# Altium PCB fmuvxX-baseT1.PcbDoc (part 3 of 5)
Units mm, origin at the board's own origin, x right, y up, seen from the top; angles counter-clockwise.
Board outline 88 x 47 mm, 6 copper layers (Top Layer, Layer 2, Signal Layer 3, Signal Layer 4, Layer 5, Bottom Layer), stack 1.548 mm thick; 363 components, 295 nets, 1451 pads, 844 vias.
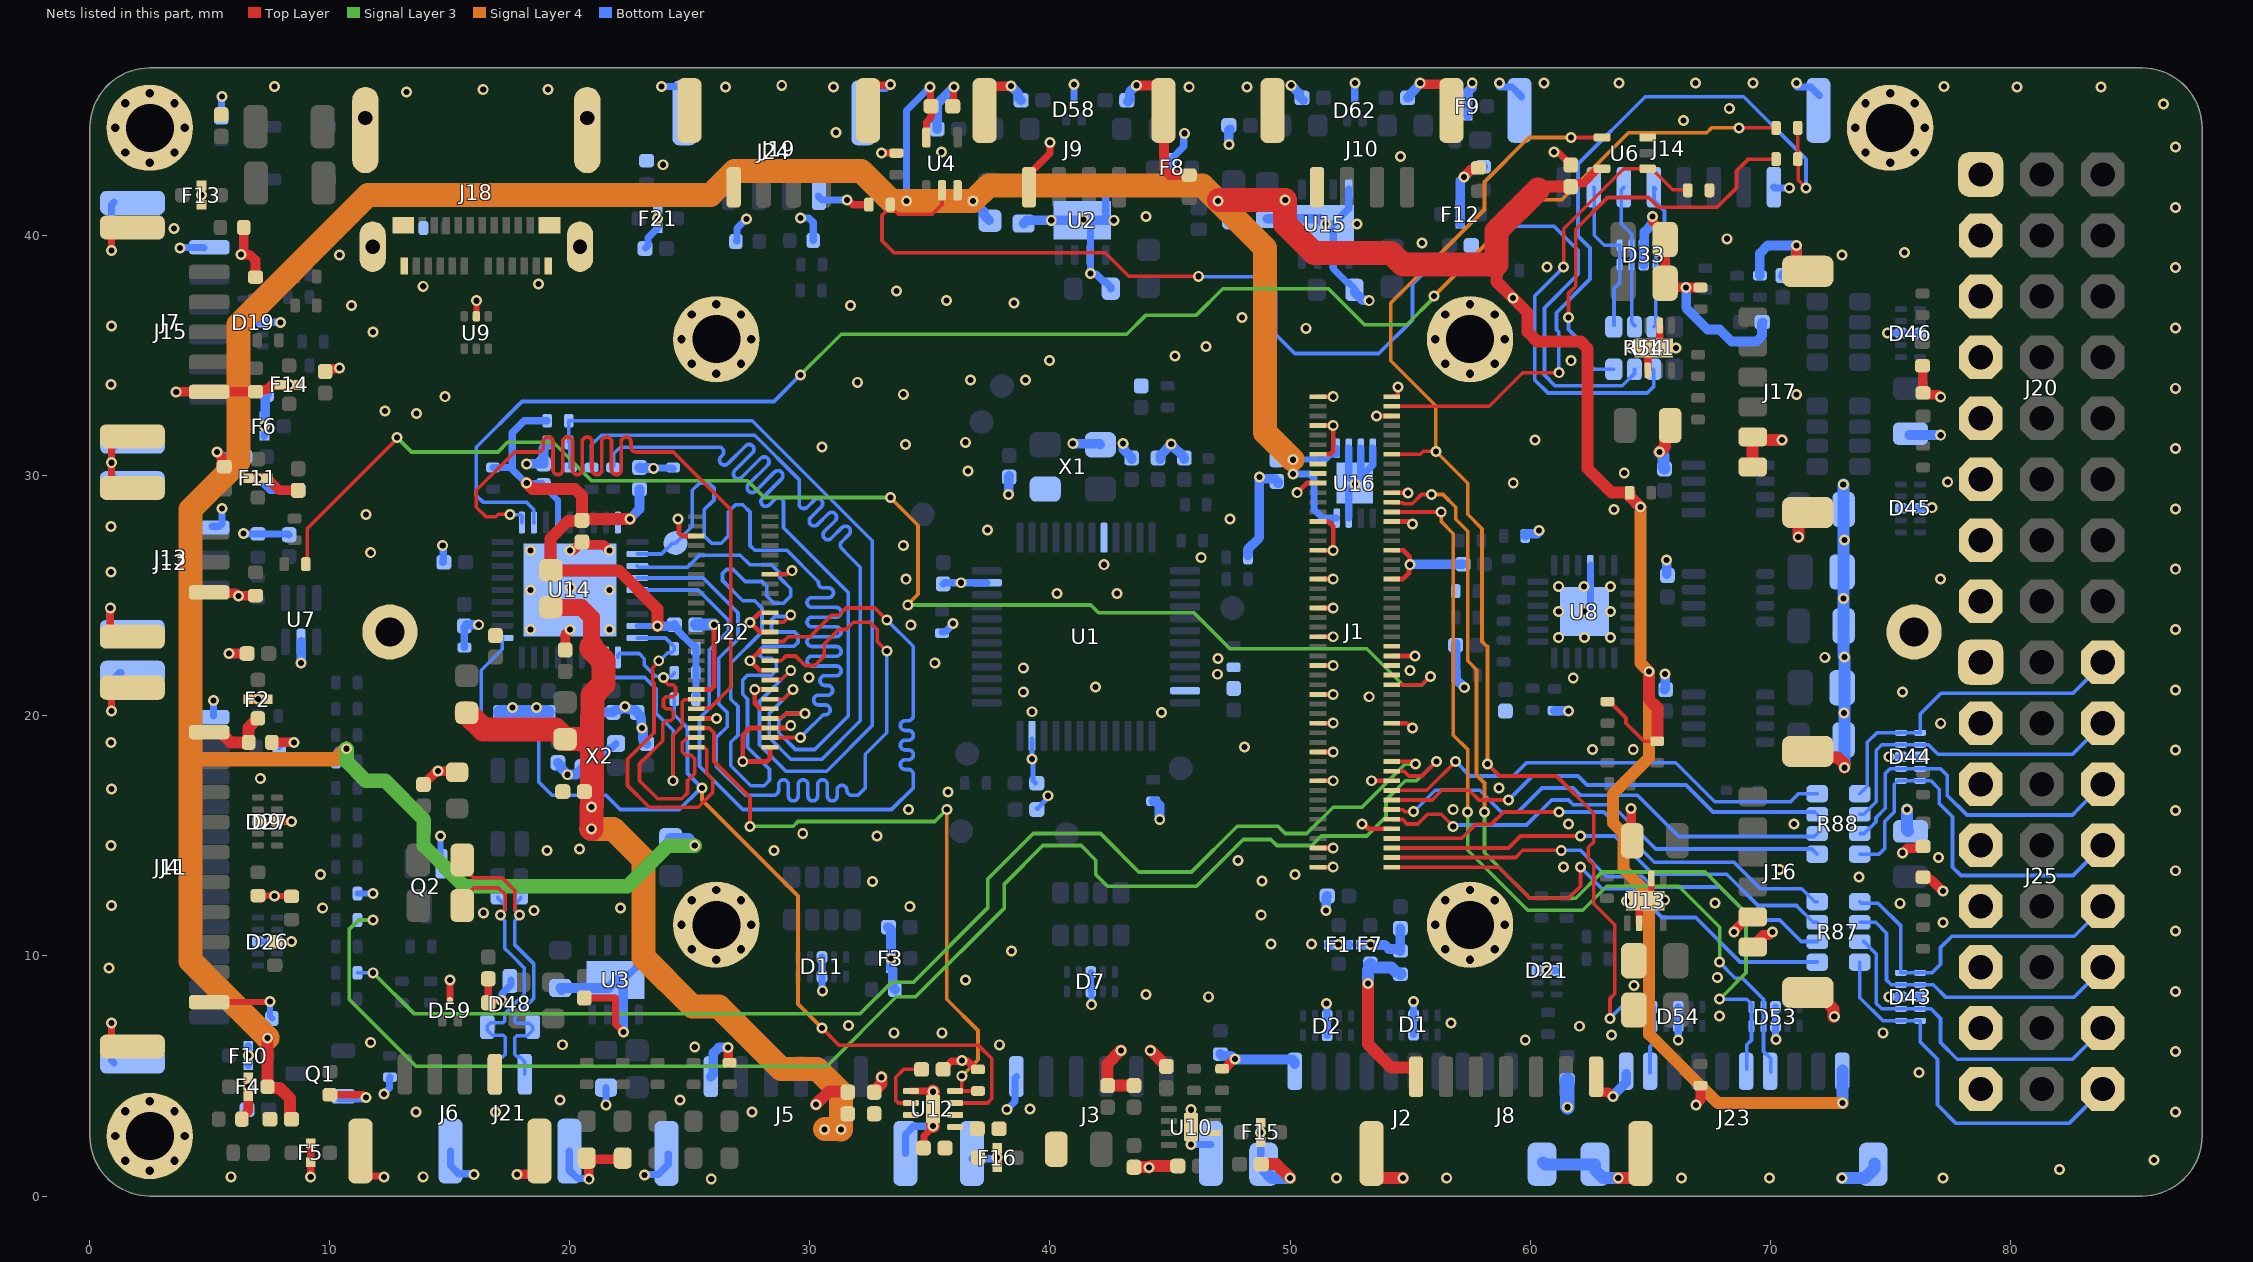
[diagram p7: the nets of this part, all layers, seen from the top]

## Via types
v1: diameter 0.457, hole 0.254, Top Layer to Bottom Layer, tented both sides, 788 vias
v2: diameter 0.65, hole 0.35, Top Layer to Bottom Layer, 56 vias

## Nets (pads, with @x,y where several pads share a name; then routed paths per layer and width w, separated by ;. In a path a pad name is that pad's centre, name@x,y a point inside that pad or via, vN(x,y) a via of type N, cw(c..) or ccw(c..) an arc to the next point about the centre after c; other vN are vias at no path point) (continued)
ETH_CRS_DV: J22.7 R103.2 | length 34.5
  Top Layer w0.152: J22.7@28.34,19.9 28.364,19.924 28.824,19.924 29,20.1 v1@29.638,20.1
  Bottom Layer w0.152: R103.2@21.828,30.4 21.828,30.928 22.1,31.2 25.5,31.2 25.865,31.2 26.201,31.2 cw(c26.201,30.997) 26.345,30.853 26.294,30.802 ccw(c26.437,30.658) 26.294,30.515 ccw(c26.437,30.658) 26.581,30.515 27.32,31.254 cw(c27.464,31.11) 27.608,31.254 cw(c27.464,31.11) 27.608,30.967 26.868,30.227 ccw(c27.012,30.084) 26.868,29.94 ccw(c27.012,30.084) 27.156,29.94 27.95,30.735 cw(c28.094,30.591) 28.238,30.735 cw(c28.094,30.591) 28.238,30.447 27.443,29.653 ccw(c27.587,29.509) 27.443,29.365 ccw(c27.587,29.509) 27.731,29.365 28.525,30.16 cw(c28.669,30.016) 28.813,30.16 cw(c28.669,30.016) 28.813,29.872 28.018,29.078 ccw(c28.162,28.934) 28.018,28.791 ccw(c28.162,28.934) 28.305,28.791 28.553,29.038 cw(c28.697,28.895) 28.9,28.895 28.9,28.265 28.9,27.843 31.6,25.143 31.6,20 30.2,18.6 29.4,18.6 28.7,19.3 28.7,19.8 29,20.1 v1@29.916,20.1
  other v1: 29.8,20.1
ETH_CSET: C56.1 U12.6 | length 2.9
  Top Layer w0.152: U12.6@34.225,3.875 33.675,3.875 33.575,3.975 33.575,4.95 33.9,5.275 C56.1@34.65,5.275
ETH_MDC: J22.4 R93.2 U14.1 | length 14.8
  Top Layer w0.152: v1(23.9,21.6) 23.9,21.5 24.1,21.3 24.3,21.3 24.4,21.2 24.4,20.9 24.3,20.8 24,20.8 23.9,20.7 23.9,20.389 23.989,20.3 24.2,20.3 24.3,20.2 24.3,19.9 24.2,19.8 24,19.8 23.87,19.67 23.87,18.97 22.9,18 22.9,17.3 23.655,16.545 24.656,16.545 24.9,16.789 24.9,17.3 25.2,17.6 25.2,18.211 25.052,18.359 24.832,18.359 24.684,18.506 24.684,18.894 24.866,19.076 25.236,19.076 J22.4@25.26,19.1
  Bottom Layer w0.152: U14.1@22,22.44 22,22.544 22.056,22.599 22.883,22.599 23.1,22.383 23.1,22.123 23.565,21.658 23.842,21.658 v1(23.9,21.6) 23.958,21.658 24.228,21.658 24.35,21.78 R93.2@24.35,21.8
ETH_MDIO: J22.2 R102.2 U14.36 | length 15
  Top Layer w0.152: v1(23.7,22.3) 23.7,22.258 23.445,22.004 23.445,21.412 23.5,21.357 23.5,19.3 22.4,18.2 22.4,17.1 23.3,16.2 23.472,16.2 23.475,16.198 24.825,16.198 24.828,16.2 25.343,16.2 25.955,16.812 25.955,17.345 25.698,17.602 25.698,18.587 25.608,18.676 25.284,18.676 J22.2@25.26,18.7
  Bottom Layer w0.152: U14.36@22.81,23.25 23.977,23.25 24.213,23.014 24.35,22.877 R102.2@24.35,22.8 24.35,22.751 24.228,22.629 24.071,22.629 23.742,22.3 v1(23.7,22.3)
ETH_nRESET: R92.2 U12.3 U14.10 | length 42.9
  Top Layer w0.152: v1(30.5,7) 31.225,6.275 37.025,6.275 37.575,5.725 37.575,4.05 37.4,3.875 U12.3@36.025,3.875
  Signal Layer 4 w0.152: v1(25.5,17) 25.5,16.5 29.5,12.5 29.5,8 v1(30.5,7)
  Bottom Layer w0.152: U14.10@17.19,23.25 17.179,23.239 17.179,22.779 16.3,21.9 16.3,20 16.7,19.6 18.05,19.6 18.7,18.95 18.7,17.25 19.25,16.7 21.5,16.7 22.1,16.1 24.558,16.1 v1@25.458,17 ; R92.2@24.35,20.7 24.35,20.05 24.9,19.5 24.9,17.6 v1(25.5,17)
ETH_PHY_nINT: J22.12 U14.2 | length 11.1
  Top Layer w0.152: v1(24.3,17.3) 24.3,19.2 24.684,19.584 24.684,20.587 24.773,20.676 25.236,20.676 J22.12@25.26,20.7
  Bottom Layer w0.152: U14.2@21.5,22.44 21.5,22.34 21.556,22.284 21.556,21.844 21.8,21.6 23.121,21.6 23.6,21.121 23.6,20.1 24.3,19.4 v1(24.3,17.3)
ETH_POWER_EN: J22.6 R82.2 U12.4 | length 27.5
  Top Layer w0.152: J22.6@25.26,19.5 25.8,19.5 26,19.3 26,18.1 27.5,16.6 v1(27.5,15.4) ; U12.4@36.045,4.375 U12.4@36.25,4.375 ; v1(36.325,5) 36.325,4.45 U12.4@36.25,4.375 ; R82.2@37.025,4.375 R82.2@37,4.375 U12.4@36.25,4.375
  Signal Layer 3 w0.152: v1(27.5,15.4) 29.3,15.4 29.5,15.6 35.2,15.6 v1(35.7,16.1)
  Signal Layer 4 w0.152: v1(35.7,16.1) 35.7,8.2 37,6.9 37,5.673 36.3,4.973 v1@36.3,4.9
ETH_PPS: R113.1 U14.20 | length 66.1
  Top Layer w0.152: v1(68.7,44.5) R113.1@70.25,44.5
  Signal Layer 3 w0.152: v1(29.6,34.2) 31.3,35.9 43.2,35.9 44,36.7 46.1,36.7 47.2,37.8 51.6,37.8 53.1,36.3 54.864,36.3 56,37.436 v1(56,37.5)
  Signal Layer 4 w0.152: v1(56,37.5) 60,41.5 61.3,41.5 64.1,44.3 67.359,44.3 67.559,44.5 v1(68.7,44.5)
  Bottom Layer w0.152: U14.20@18.5,28.06 18.487,28.073 18.487,28.613 18.202,28.898 16.402,28.898 16.1,29.2 16.1,31.2 18,33.1 28.5,33.1 v1(29.6,34.2)
ETH_REF_CLK: J22.3 TP17.1 U14.29 | length 36.4
  Top Layer w0.152: J22.3@28.34,19.1 v1(29.6,19.1)
  Bottom Layer w0.152: U14.29@22.81,26.75 23.82,26.75 24.27,27.2 TP17.1@24.4,27.2 25.1,27.9 25.1,29.4 25.4,29.7 25.8,29.7 26,29.5 26,29 25.6,28.6 25.6,27.5 25.9,27.2 26.3,27.2 26.6,27.5 26.6,28.5 26.9,28.8 27.2,28.8 27.5,28.5 27.5,27.1 27.7,26.9 29.043,26.9 30.329,25.614 30.355,25.588 30.355,25.538 ccw(c30.558,25.538) 30.558,25.335 30.777,25.335 cw(c30.777,25.132) 30.777,24.929 30.082,24.929 ccw(c30.082,24.725) 30.082,24.522 31.094,24.522 cw(c31.094,24.319) 31.094,24.116 30.082,24.116 ccw(c30.082,23.913) 30.082,23.709 31.094,23.709 cw(c31.094,23.506) 31.094,23.303 30.082,23.303 ccw(c30.082,23.1) 30.082,22.897 31.094,22.897 cw(c31.094,22.693) 31.094,22.49 30.082,22.49 ccw(c30.082,22.287) 30.082,22.084 31.094,22.084 cw(c31.094,21.881) 31.094,21.677 30.622,21.677 ccw(c30.622,21.474) 30.622,21.271 30.739,21.271 cw(c30.739,21.068) 30.739,20.865 30.355,20.865 ccw(c30.355,20.661) 30.355,20.458 30.636,20.458 cw(c30.636,20.255) 30.636,20.052 ccw(c30.636,19.849) 30.492,19.992 29.879,19.379 v1(29.6,19.1)
ETH_RX_ER: J22.10 U14.19 | length 36.6
  Top Layer w0.152: v1(17.5,28.4) 17.009,28.4 16.909,28.3 16.5,28.3 16.1,28.7 16.1,29.4 17.7,31 18.61,31 18.686,31 ccw(c18.686,31.203) 18.889,31.203 18.889,31.417 cw(c19.092,31.417) 19.296,31.417 19.296,30.259 ccw(c19.499,30.259) 19.702,30.259 19.702,31.417 cw(c19.905,31.417) 20.108,31.417 20.108,30.259 ccw(c20.312,30.259) 20.515,30.259 20.515,31.417 cw(c20.718,31.417) 20.921,31.417 20.921,30.259 ccw(c21.124,30.259) 21.328,30.259 21.328,31.417 cw(c21.531,31.417) 21.734,31.417 21.734,30.259 ccw(c21.937,30.259) 22.14,30.259 22.14,31.417 cw(c22.344,31.417) 22.547,31.417 22.547,31.203 ccw(c22.75,31.203) 22.75,31 23.386,31 24.3,31 26.7,28.6 26.7,21.2 25.814,20.314 25.274,20.314 J22.10@25.26,20.3
  Bottom Layer w0.152: v1(17.5,28.4) 17.514,28.386 17.944,28.386 18,28.331 U14.19@18,28.06
ETH_RXD0: J22.11 R48.2 | length 34.7
  Top Layer w0.152: J22.11@28.34,20.7 28.9,20.7 v1(29.3,21.1)
  Bottom Layer w0.152: R48.2@20.9,30.4 20.9,31.3 21.3,31.7 27.7,31.7 29.548,29.852 29.548,28.752 29.601,28.699 ccw(c29.745,28.842) 29.889,28.699 30.188,28.997 cw(c30.331,28.854) 30.475,28.997 cw(c30.331,28.854) 30.475,28.71 30.029,28.265 ccw(c30.173,28.121) 30.029,27.977 ccw(c30.173,28.121) 30.317,27.977 30.762,28.423 cw(c30.906,28.279) 31.05,28.423 cw(c30.906,28.279) 31.05,28.135 30.604,27.69 ccw(c30.748,27.546) 30.604,27.402 ccw(c30.748,27.546) 30.892,27.402 31.337,27.848 cw(c31.481,27.704) 31.624,27.848 cw(c31.481,27.704) 31.624,27.561 31.326,27.262 ccw(c31.469,27.118) 31.326,26.974 31.6,26.7 32.1,26.2 32.1,19.8 30.5,18.2 29.2,18.2 28.3,19.1 28.3,20.1 v1(29.3,21.1)
ETH_RXD1: J22.15 R27.1 R37.1 R101.2 | length 34.9
  Top Layer w0.152: J22.15@28.34,21.5 28.364,21.524 28.824,21.524 v1(29.2,21.9)
  Bottom Layer w0.152: R37.1@19.95,31.4 R27.1@19.95,32.3 27.6,32.3 32.6,27.3 32.6,19.6 30.7,17.7 29,17.7 27.9,18.8 27.9,20.6 v1(29.2,21.9) ; R101.2@20,30.35 R37.1@20,31.3
ETH_TRX_N: C94.2 D48.2 J21.2 R95.1 | length 13.7
  Top Layer w0.147: R95.1@15.515,12.1 R95.1@15.515,12.126 ; R95.1@15.923,11.718 R95.1@15.515,12.126 ; v1@17.082,11.718 v1(17.1,11.7) 17.1,11.742 17.299,11.941 17.299,12.564 17.014,12.849 15.993,12.849 15.515,12.371 R95.1@15.515,12.126
  Bottom Layer w0.147: J21.2@16.875,5.07 16.875,5.579 17.096,5.799 17.2,5.799 17.299,5.898 17.299,6.607 17.213,6.694 16.776,6.694 16.55,6.919 16.55,7.074 16.684,7.209 17.207,7.209 17.293,7.295 17.293,7.611 18.1,8.418 18.1,9.5 17.55,10.05 17.29,10.31 17.29,11.459 17.1,11.649 v1(17.1,11.7) 17.1,11.724 17.29,11.914 17.29,12.122 17,12.413 C94.2@17,12.45
ETH_TRX_P: C93.2 D48.1 J21.1 R96.1 | length 13.7
  Top Layer w0.147: R96.1@15.515,14 15.515,13.729 15.993,13.251 17.18,13.251 17.701,12.73 17.701,11.941 17.9,11.742 v1(17.9,11.7)
  Bottom Layer w0.147: C93.2@17.95,12.45 17.95,12.399 17.692,12.141 17.692,11.923 17.9,11.715 v1(17.9,11.7) 17.9,11.658 17.692,11.45 17.692,10.476 18.501,9.666 18.501,8.251 17.694,7.444 17.694,7.286 17.781,7.2 18.295,7.2 D48.1@18.45,7.045 18.45,6.905 18.224,6.679 17.787,6.679 17.701,6.593 17.701,5.898 17.8,5.799 17.904,5.799 18.125,5.579 J21.1@18.125,5.07
ETH_TX_EN: J22.27 U14.30 | length 36.3
  Top Layer w0.152: J22.27@28.34,23.9 28.9,23.9 v1(29.2,24.2)
  Bottom Layer w0.152: U14.30@22.81,26.25 22.86,26.2 24.9,26.2 25.4,26.7 27.1,26.7 27.5,26.3 28.4,26.3 28.75,25.95 28.75,25.75 29.2,25.3 29.2,25 28.9,24.7 28.5,24.7 28.2,25 28.2,25.4 28,25.6 27.3,25.6 26.8,26.1 26.521,26.1 26.357,25.936 26.357,25.643 27.2,24.8 27.7,24.8 28,24.5 28,23.5 26.7,22.2 26.7,20.7 27,20.4 27,19.2 26.7,18.9 26.7,17.928 27.538,17.09 28.09,17.09 28.318,17.317 28.318,17.782 27.4,18.7 27.4,20.7 27.2,20.9 27.2,21.5 27.4,21.7 28.4,21.7 28.6,21.9 28.6,22.2 28.4,22.4 28.035,22.4 27.922,22.514 27.922,22.759 28.062,22.9 29.336,22.9 29.5,23.064 29.5,23.354 29.354,23.5 28.5,23.5 28.4,23.6 28.4,24 28.542,24.142 29.142,24.142 v1(29.2,24.2)
ETH_TXD0: J22.19 U14.31 | length 36.4
  Top Layer w0.152: J22.19@28.34,22.3 28.8,22.3 ; 28.804,22.304 29,22.5 29.4,22.5 29.8,22.1 30.2,22.1 30.6,22.5 30.6,23 31.2,23.6 31.5,23.6 31.8,23.9 32.5,23.9 32.8,23.6 32.8,23.1 v1(33.2,22.7)
  Bottom Layer w0.152: U14.31@22.81,25.75 25.55,25.75 27,24.3 27,23.2 26.2,22.4 26.2,20.5 26.555,20.145 26.555,19.555 26.1,19.1 26.089,19.1 26.089,17.911 27.3,16.7 28.414,16.7 28.49,16.7 ccw(c28.49,16.903) 28.694,16.903 28.694,17.136 cw(c28.897,17.136) 29.1,17.136 29.1,16.665 ccw(c29.303,16.665) 29.506,16.665 29.506,17.136 cw(c29.71,17.136) 29.913,17.136 29.913,16.665 ccw(c30.116,16.665) 30.319,16.665 30.319,17.136 cw(c30.522,17.136) 30.726,17.136 30.726,16.665 ccw(c30.929,16.665) 31.132,16.665 31.132,16.907 cw(c31.335,16.907) 31.538,16.907 31.538,16.903 ccw(c31.742,16.903) 31.742,16.7 32,16.7 32.102,16.802 32.3,17 32.3,18.4 33.2,19.3 v1(33.2,22.7)
ETH_TXD1: J22.23 U14.32 | length 36.2
  Top Layer w0.152: J22.23@28.34,23.1 28.9,23.1 29.1,23.3 30,23.3 30.9,24.2 31.2,24.2 31.5,24.5 32.7,24.5 v1(33.2,24)
  Bottom Layer w0.152: U14.32@22.81,25.25 25.35,25.25 26.598,24.002 26.598,23.543 25.8,22.745 25.8,20.3 25.4,19.9 25.4,17.9 27.2,16.1 33.4,16.1 34.3,17 34.3,17.491 34.3,17.567 ccw(c34.097,17.567) 34.097,17.77 33.972,17.77 cw(c33.972,17.973) 33.972,18.176 34.106,18.176 ccw(c34.106,18.38) 34.106,18.583 33.972,18.583 cw(c33.972,18.786) 33.972,18.989 34.106,18.989 ccw(c34.106,19.192) 34.106,19.396 33.972,19.396 cw(c33.972,19.599) 33.972,19.802 34.097,19.802 ccw(c34.097,20.005) 34.3,20.005 34.3,20.395 34.3,22.9 v1(33.2,24)
ETH_VDD_3V3: C23.1 C54.1 C55.1 FB2.1 FB9.1 FB10.2 U12.7 | length 36.5
  Top Layer w0.4: 20.8,22.8 20.9,22.9 20.93,22.93
  Top Layer w0.7: FB10.2@19.2,24.53 19.209,24.521 20.49,24.521 20.9,24.111 20.9,22.9
  Top Layer w1: FB2.1@15.7,20.13 16.401,19.429 19.401,19.429 FB9.1@19.8,19.03 20.922,19.03 ; v1(20.9,15.3) v1(20.9,16.2) ; 20.9,22.9 20.9,22.8 21.4,22.3 21.4,21.327 20.935,20.862 20.935,19.969 20.922,19.957 20.922,19.03 ; v1@20.922,16.222 20.922,16.85 20.922,19.03
  Signal Layer 4 w1: v1(20.9,15.3) 21.8,15.3 23.075,14.025 23.075,9.925 25.1,7.9 26.2,7.9 27.7,6.4 28.8,5.3 30.3,5.3 31.301,4.299 v1(31.301,2.775) ; v1@30.625,2.8 v1@31.3,2.8
  other v1: 30.6,2.775
ETH_VDD_5V: C52.1 C53.1 F16.3 U12.1
ETH_VDD_IO_3V3: C71.1 C72.1 C73.1 C74.1 FB10.1 R27.2 R91.2 R92.1 R93.1 R102.1 U14.22 U14.27 U14.35 | length 29
  Top Layer w0.5: v1(18.2,29.7) 18.438,29.462 20.207,29.462 20.5,29.169 C71.1@20.5,28.15 ; v1(22.5,28.2) 20.55,28.2 C71.1@20.5,28.15 ; v1(23.648,23.745) 23.648,24.452 22.03,26.07 FB10.1@19.2,26.07 19.2,27.4 19.928,28.128 20.478,28.128 C71.1@20.5,28.15
  Bottom Layer w0.25: C73.1@18.9,29.6 18.9,29.59 19.5,28.99 U14.22@19.5,28.06 ; U14.27@22,28.06 22,28.193 22.007,28.2 v1(22.5,28.2) ; U14.35@22.81,23.75 22.812,23.748 23.648,23.748 v1@23.7,23.8
  Bottom Layer w0.3: R91.2@16.8,30.35 17.55,30.35 17.6,30.4 ; C73.1@18.9,29.6 18.83,29.67 18.23,29.67 v1(18.2,29.7) 18.172,29.7 17.6,30.272 17.6,30.4 ; R27.2@19.05,32.3 18.1,32.3 17.6,31.8 17.6,30.4 ; C72.1@24.35,23.8 24.36,23.8 24.515,23.645 24.515,23.53 25.105,22.94 25.2,22.94 25.218,22.922 R102.1@25.218,22.782 ; R92.1@25.25,20.75 R102.1@25.25,22.8 R102.1@25.25,22.89
  Bottom Layer w0.4: v1(22.5,28.2) 22.5,28.215 22.9,28.615 C74.1@22.9,29.45 ; v1(23.648,23.745) 24.295,23.745 C72.1@24.35,23.8
EXT2_5V_FLT: D20.2 F7.3 J8.1 | length 7
  Top Layer w0.5: v1(53.25,8.85) 53.247,8.847 53.247,6.328 54.225,5.35 J8.1@55.275,5.35
  Bottom Layer w0.5: v1(53.25,8.85) 53.25,9.416 53.3,9.466 53.3,9.625 F7.3@53.35,9.675 53.497,9.528 54.222,9.528 D20.2@54.4,9.35 ; D20.2@54.6,9.24 D20.2@54.6,9.25
FMU_BOOTLOADER: R51.1 R54.7 U4.2 | length 50.3
  Top Layer w0.152: R51.1@33.35,41.3 R51.1@33.35,41.223 ; U4.2@35.5,41.9 35.5,41.3 35.1,40.9 33.673,40.9 R51.1@33.35,41.223 ; v1(46.184,38.318) 43.282,38.318 42.3,39.3 33.5,39.3 33,39.8 33,40.86 33.35,41.21 R51.1@33.35,41.223
  Bottom Layer w0.152: v1@46.2,38.3 48.8,38.3 49.4,37.7 49.4,35.9 50.2,35.1 53.7,35.1 55.1,36.5 55.1,36.65 55.104,36.654 55.104,37.031 55.1,37.036 55.1,38 55.6,38.5 57.5,38.5 59.4,40.4 61,40.4 62,39.4 62,38.4 60.6,37 60.6,34.2 61.039,33.761 63.841,33.761 64.35,34.27 R54.7@64.35,34.44
FMU_BOOTLOADER_AUX: D33.4 D33.7 J14.3 R54.2 | length 6.1
  Bottom Layer w0.152: J14.3@63.911,42.03 63.795,41.914 63.795,40.505 64.235,40.065 D33.4@64.235,38.809 64.235,36.39 R54.2@64.375,36.25
FMU_CAP1: J1.97 R110.2 R113.2 | length 32.6
  Top Layer w0.152: J1.97@54.24,32.9 58.3,32.9 59.7,34.3 v1(61.2,34.3) ; R110.2@71.15,43.2 71.175,43.175 71.175,42.325 v1(71.5,42) ; R110.2@71.15,43.25 R113.2@71.15,44.5
  Bottom Layer w0.152: v1(61.2,34.3) 61.2,36 61.1,36.1 61.1,36.8 62.5,38.2 62.5,39.5 62,40 62,43 64.8,45.8 68.9,45.8 71.5,43.2 v1(71.5,42)
FMU_CAP1_1: R54.8 R110.1 | length 17.5
  Top Layer w0.152: v1(61.6,36.6) 61.6,37.6 61.9,37.9 61.9,40.272 63.228,41.6 64.943,41.6 65.343,41.2 67.8,41.2 68.6,42 68.6,42.7 69.1,43.2 70.128,43.2 70.2,43.272 R110.1@70.2,43.3
  Bottom Layer w0.152: v1@61.6,36.564 61.6,36.1 62.5,35.2 62.5,34.6 62.66,34.44 R54.8@63.49,34.44
FMU_CAP1_AUX: D33.5 D33.6 J14.2 R54.1 | length 6.7
  Bottom Layer w0.152: J14.2@62.661,42.03 62.675,42.016 62.675,40.025 63.091,39.609 D33.6@63.735,39.609 D33.5@63.735,38.809 63.735,38.684 63.735,38.035 63.5,37.8 R54.1@63.5,36.275
FMU_CH1: J1.17 R88.4 | length 19.5
  Top Layer w0.152: J1.17@54.24,16.9 55.7,16.9 v1(56.9,18.1)
  Bottom Layer w0.152: v1(56.9,18.1) 57.5,17.5 59.3,17.5 59.85,18.05 66.075,18.05 67.7,16.425 70.85,16.425 71.185,16.76 R88.4@71.965,16.76
FMU_CH1_PROT: D44.1 D44.10 J25.1C R88.5 | length 13.8
  Bottom Layer w0.152: R88.5@73.735,16.76 74.05,17.075 74.05,17.68 74.053,17.683 74.053,18.017 74.05,18.02 74.05,18.9 74.45,19.3 D44.10@75.4,19.3 ; D44.10@75.45,19.3 D44.1@76.2,19.3 ; D44.1@76.25,19.3 76.25,20.075 77.125,20.95 82.625,20.95 83.85,22.175 J25.1C@83.85,22.225
FMU_CH2: J1.15 R88.3 | length 19.1
  Top Layer w0.152: J1.15@54.24,16.5 55.925,16.5 56.325,16.9 57.471,16.9 57.871,16.5 v1(59.1,16.5)
  Bottom Layer w0.152: v1(59.1,16.5) 60.1,17.5 62,17.5 62.375,17.125 66.5,17.125 67.625,16 71.865,16 R88.3@71.965,15.9
FMU_CH2_PROT: D44.2 D44.9 J25.2C R88.6 | length 13.3
  Bottom Layer w0.152: R88.6@73.735,15.9 73.905,15.9 74.425,16.42 74.425,18.575 74.65,18.8 D44.9@75.45,18.8 D44.2@76.25,18.8 76.252,18.798 76.602,18.798 77,18.4 82.6,18.4 J25.2C@83.85,19.65
FMU_CH3: J1.13 R88.2 | length 19.8
  Top Layer w0.152: J1.13@54.24,16.1 54.244,16.096 54.704,16.096 54.792,16.008 55.133,16.008 v1(55.15,16.025)
  Bottom Layer w0.152: v1@55.175,16.025 56.05,16.9 57.9,16.9 58.8,16 59.5,16 60.5,17 61.8,17 62.1,16.7 64.475,16.7 66.2,14.975 71.84,14.975 R88.2@71.965,15.1
FMU_CH3_PROT: D44.4 D44.7 J25.3C R88.7 | length 14
  Bottom Layer w0.152: R88.7@73.75,15.1 73.92,15.1 74.186,15.366 74.192,15.366 74.414,15.588 74.414,15.764 74.8,16.15 74.8,17.6 75,17.8 D44.7@75.45,17.8 D44.4@76.25,17.8 77.1,17.8 77.375,17.525 77.375,16.7 78.2,15.875 82.6,15.875 82.8,16.075 ; 82.795,16.08 J25.3C@83.865,17.15
FMU_CH4: J1.11 R88.1 | length 19.6
  Top Layer w0.152: J1.11@54.24,15.7 54.257,15.683 54.692,15.683 54.875,15.5 55.325,15.5 55.725,15.9 56.3,15.9 v1(56.8,15.4)
  Bottom Layer w0.152: v1(56.8,15.4) 56.855,15.455 59.855,15.455 60.9,16.5 61.6,16.5 61.8,16.3 63.4,16.3 65.24,14.46 71.745,14.46 R88.1@71.965,14.24
FMU_CH4_PROT: D44.5 D44.6 J25.4C R88.8 | length 16.5
  Bottom Layer w0.152: R88.8@73.735,14.24 74.54,14.24 74.775,14.475 74.775,15.6 75.175,16 75.175,17.15 75.325,17.3 D44.6@75.45,17.3 76.7,17.3 77.05,16.95 77.05,16.35 77.6,15.8 77.6,13.7 77.95,13.35 82.625,13.35 J25.4C@83.875,14.6
FMU_CH5: J1.7 R87.4 | length 19.7
  Top Layer w0.152: J1.7@54.24,14.9 57.15,14.9 57.745,15.495 58.395,15.495 58.9,16 v1(61.2,16)
  Bottom Layer w0.152: v1(61.2,16) 61.202,15.998 63.077,15.998 65.175,13.9 68.5,13.9 69.6,12.8 71.317,12.8 71.857,12.26 R87.4@71.965,12.26
FMU_CH5_PROT: D43.1 D43.10 J25.5C R87.5 | length 14.1
  Bottom Layer w0.152: R87.5@73.735,12.26 73.795,12.2 74.5,12.2 75.45,11.25 D43.10@75.45,9.3 D43.1@76.25,9.3 76.75,9.3 77.1,9.65 77.1,10.35 77.575,10.825 82.675,10.825 83.85,12 J25.5C@83.85,12.075
FMU_CH6: J1.5 R87.3 | length 19.4
  Top Layer w0.152: J1.5@54.24,14.5 59.1,14.5 59.6,15 v1(62.1,15)
  Bottom Layer w0.152: v1(62.1,15) 63.525,15 65.125,13.4 68.2,13.4 69.5,12.1 71.095,12.1 ; 71.1,12.1 71.095,12.1 ; R87.3@71.965,11.4 71.795,11.4 71.095,12.1
FMU_CH6_PROT: D43.2 D43.9 J25.6C R87.6 | length 13.1
  Bottom Layer w0.152: R87.6@73.735,11.4 74.4,11.4 74.85,10.95 74.85,9 75.05,8.8 D43.9@75.4,8.8 ; D43.9@75.45,8.8 D43.2@76.25,8.8 76.8,8.8 77.325,8.275 82.65,8.275 83.875,9.5 J25.6C@83.875,9.55
FMU_CH7: J1.3 R87.2 | length 19.4
  Top Layer w0.152: J1.3@54.24,14.1 59.4,14.1 59.7,14.4 v1(61.3,14.4)
  Bottom Layer w0.152: v1(61.3,14.4) 62.1,14.4 63.2,13.3 64.7,13.3 65.125,12.875 67.9,12.875 69.275,11.5 70.4,11.5 71.3,10.6 R87.2@71.965,10.6
FMU_CH7_PROT: D43.4 D43.7 J25.7C R87.7 | length 14.3
  Bottom Layer w0.152: R87.7@73.875,10.6 73.905,10.6 74.425,10.08 74.425,8.025 74.65,7.8 D43.7@75.45,7.8 D43.4@76.25,7.8 76.7,7.8 77.1,7.4 77.1,6.4 77.8,5.7 82.6,5.7 J25.7C@83.875,6.975
FMU_CH8: J1.1 R87.1 | length 20.9
  Top Layer w0.152: J1.1@54.24,13.7 58.7,13.7 60,12.4 61.6,12.4 62.1,12.9 v1(62.1,13.7)
  Bottom Layer w0.152: v1(62.1,13.7) 63,12.8 64.3,12.8 65.5,11.6 66.9,11.6 68.75,9.75 71.955,9.75 R87.1@71.965,9.74
FMU_CH8_PROT: D43.5 D43.6 J25.8C R87.8 | length 16
  Bottom Layer w0.152: R87.8@73.735,9.74 73.735,8.265 74.7,7.3 D43.6@75.45,7.3 D43.5@76.25,7.3 76.25,6.425 76.975,5.7 76.975,3.8 77.75,3.025 82.45,3.025 83.85,4.425 J25.8C@83.875,4.425
FMU_NRST: D54.1 D54.10 J1.87 J23.9 U6.4 | length 54.4
  Top Layer w0.152: J1.87@54.24,30.9 55.431,30.9 55.556,31.025 v1(56.075,31.025) ; v1(58.225,18) 58.725,17.5 61.1,17.5 62.65,15.95 62.65,14.75 62.427,14.527 62.427,14.023 62.65,13.8 62.65,12.175 63.525,11.3 63.525,8.425 63.328,8.228 v1(63.328,7.4) ; v1(61.7,44.1) 62.861,44.1 U6.4@63,44.1
  Signal Layer 4 w0.152: 58.2,22.9 58,23.1 58,27.8 57.4,28.4 57.4,29.7 v1(56.075,31.025) 56.075,32.925 54.2,34.8 54.2,36.649 54.195,36.654 54.195,37.031 54.2,37.036 54.2,37.2 58.1,41.1 58.1,42.25 59.95,44.1 v1(61.7,44.1) ; v1(58.225,18) 58.225,22.9
  Bottom Layer w0.152: v1(63.328,7.4) 63.328,7.403 63.8,7.875 D54.1@65.175,7.875 D54.10@65.175,7.075 65.175,6.4 65,6.225 J23.9@65,5.197 J23.9@65,5.137
FMU_nSAFETY_SWITCH_LED_OUT: J1.23 R22.1 | length 52.2
  Top Layer w0.152: J1.23@54.24,18.1 v1@55.043,18.1
  Signal Layer 3 w0.152: v1(11.8,9.3) 13.5,7.6 32.1,7.6 33.4,8.9 34.3,8.9 37.4,12 37.4,13.2 39.3,15.1 42.1,15.1 43.7,13.5 45.9,13.5 47.8,15.4 49.5,15.4 49.8,15.1 50.7,15.1 51.8,16.2 53,16.2 54.8,18 v1(55.225,18)
  Bottom Layer w0.152: R22.1@11.15,9.3 v1(11.8,9.3)
FMU_PPM_INPUT: J1.39 R50.1 | length 58.8
  Top Layer w0.152: R50.1@9.05,26.475 9.05,27.797 12.8,31.547 v1(12.8,31.6) ; J1.39@54.24,21.3 55.5,21.3 v1(55.85,21.65)
  Signal Layer 3 w0.152: v1(12.8,31.6) 13.4,31 17,31 17.4,31.4 19.3,31.4 20.9,29.8 27.4,29.8 28.1,29.1 v1(33.35,29.1) ; v1(34.075,24.625) 41.7,24.625 42.025,24.3 46,24.3 47.5,22.8 53.2,22.8 54.7,21.3 55.5,21.3 v1(55.85,21.65)
  Signal Layer 4 w0.152: v1(33.35,29.1) 34.5,27.95 34.5,25.067 34.075,24.642 v1(34.075,24.625)
FMU_RST_REQ: R52.1 R54.6 U6.1 | length 19.4
  Top Layer w0.152: v1(61.4,38.7) 61.4,40.3 63.9,42.8 65.075,42.8 65.95,41.925 66.55,41.925 R52.1@66.575,41.9
  Bottom Layer w0.152: v1(61.4,38.7) 60.2,37.5 60.2,34 60.743,33.457 64.882,33.457 65.15,33.725 R54.6@65.15,34.44
FMU_RST_REQ_AUX: D33.2 D33.9 J14.4 R54.3 | length 6.3
  Bottom Layer w0.152: R54.3@65.15,36.21 65.235,36.295 D33.2@65.235,38.809 65.235,40.035 65.6,40.4 65.6,41.041 65.161,41.48 J14.4@65.161,42.03 J14.4@65.235,41.956
FMU_SAFETY_SWITCH_IN: J1.21 R21.1 | length 61.5
  Top Layer w0.152: J1.21@54.24,17.7 54.75,17.7 54.95,17.5 55.5,17.5 v1(56.1,18.1)
  Signal Layer 3 w0.152: v1(11.8,11.5) 11.2,11.5 10.8,11.1 10.8,8.2 13.6,5.4 30.7,5.4 33.6,8.3 34.4,8.3 38.1,12 38.1,13 39.7,14.6 41.3,14.6 41.906,13.994 41.906,13.394 42.4,12.9 46.1,12.9 48.053,14.853 49.2,14.853 49.453,14.6 50.9,14.6 51.3,15 53.2,15 54,15.8 54,16.498 ; 54,16.5 54,16.498 ; v1(56.1,18.1) 56.072,18.1 55.272,17.3 54.802,17.3 54,16.498